# Allegro board meta_module_lay_rev1.brd
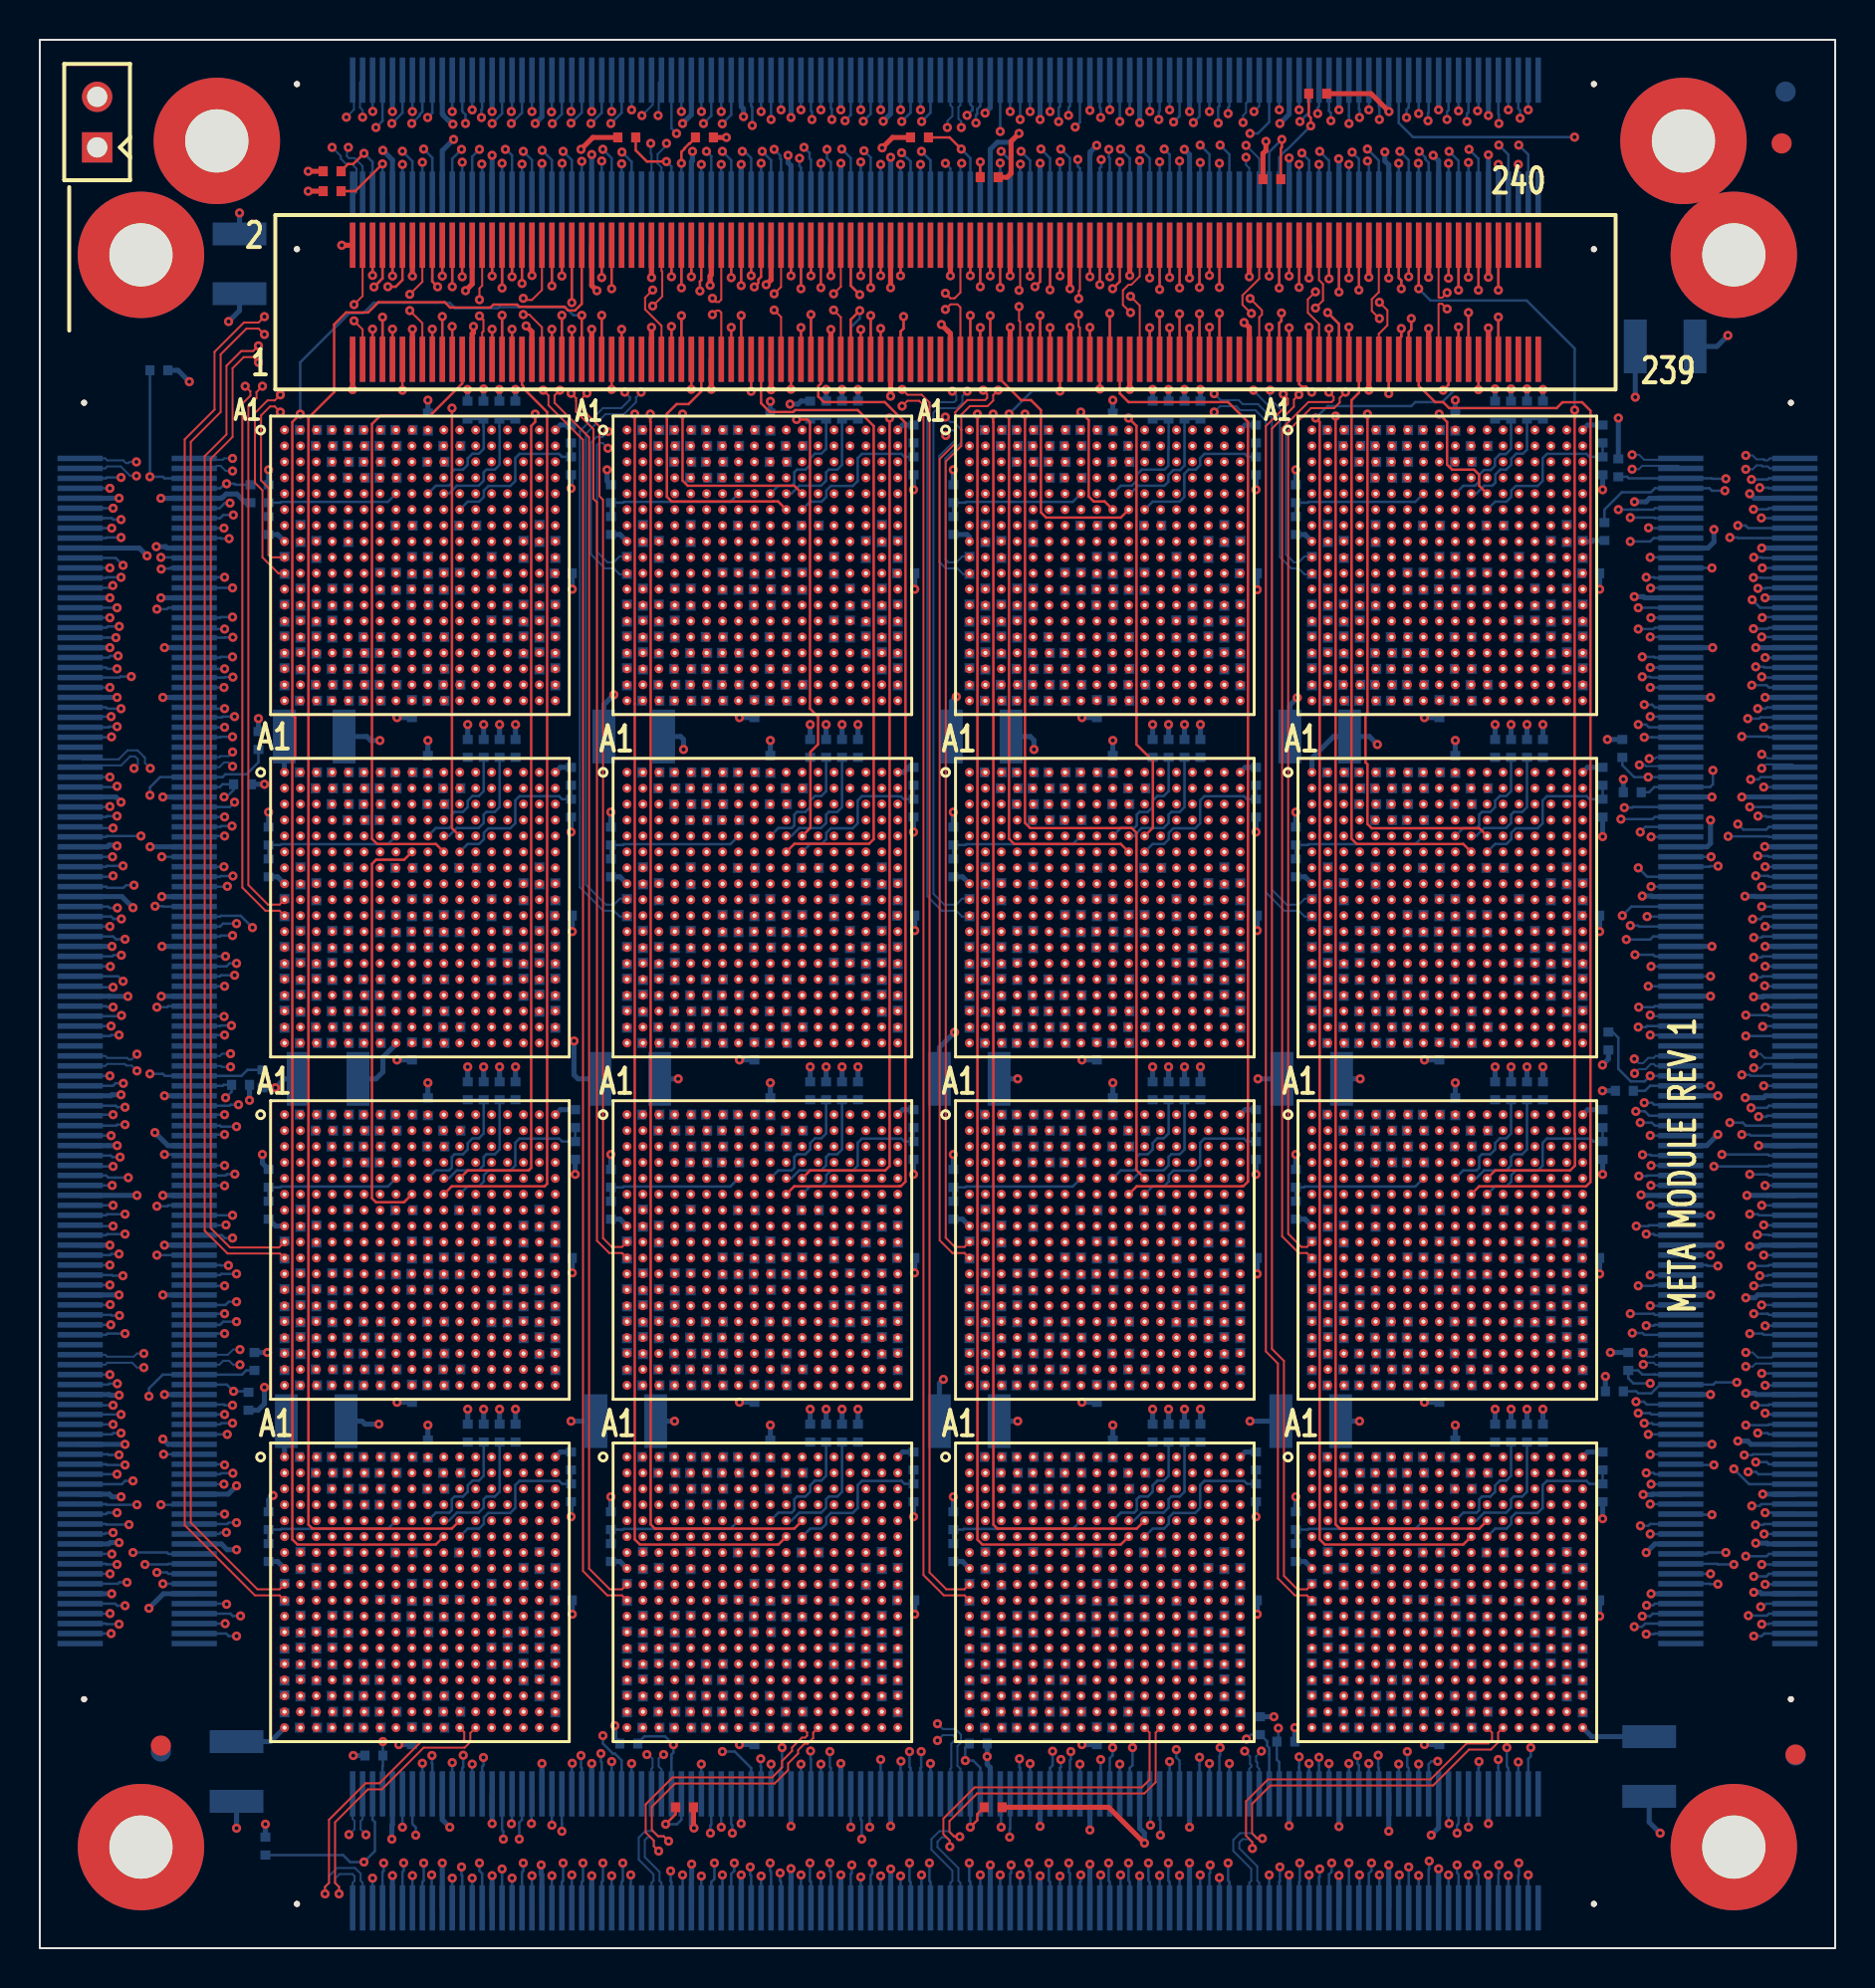
[diagram p0: board, top side]
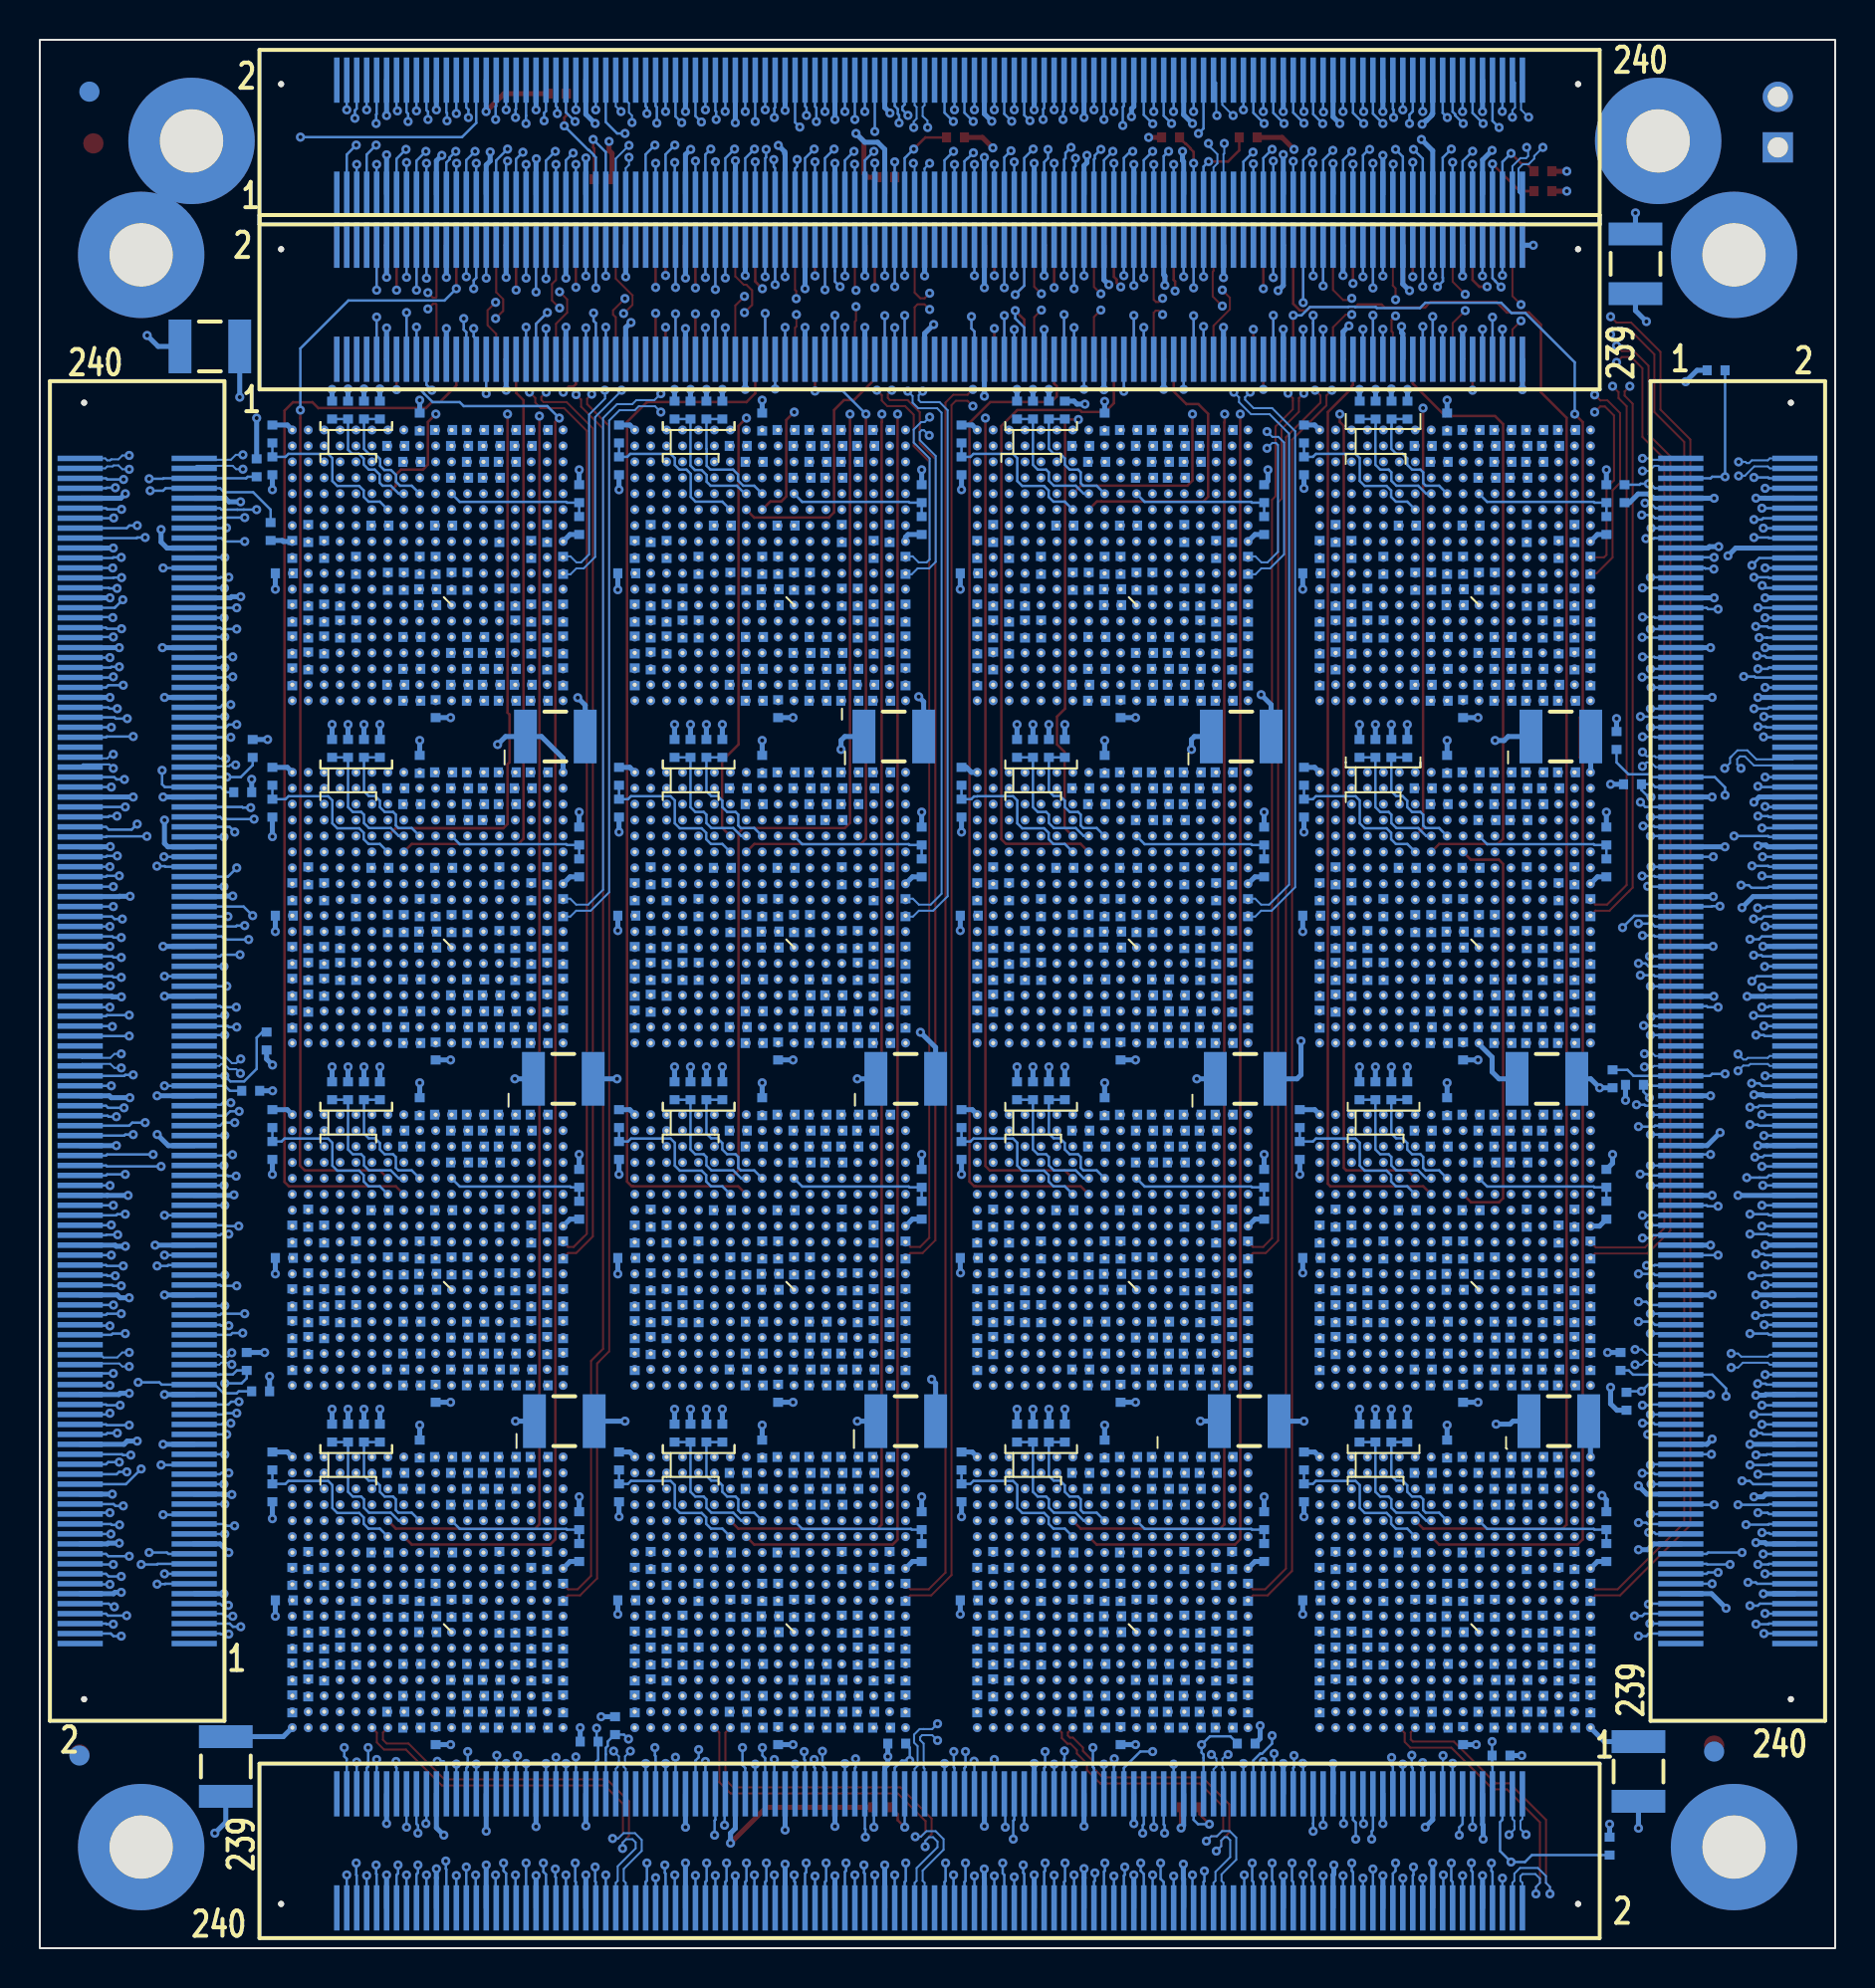
[diagram p1: board, bottom side, seen from below]

Outline 90.17 x 95.89 mm; copper layers: TOP, GND_L2, SIGNAL_L3, GND_L4, SIGNAL_L5, SIGNAL_L6, PWR_L7, PWR_L8, SIGNAL_L9, SIGNAL_L10, GND_L11, SIGNAL_L12, GND_L13, BOTTOM. Coordinates in mm from the lower left corner of the outline.
Outline path: rectangle 0,0 90.17,95.89

## Design rules (mm)
net group CLK0: nets CLK_N0 CLK_P0
net group CLK1: nets CLK_N1 CLK_P1
net group CLK2: nets CLK_N2 CLK_P2
net group CLK3: nets CLK_N3 CLK_P3
net group CLK4: nets CLK_N4 CLK_P4
net group CLK5: nets CLK_N5 CLK_P5
net group CLK6: nets CLK_N6 CLK_P6
net group CLK7: nets CLK_N7 CLK_P7
net group CLK8: nets CLK_N8 CLK_P8
net group CLK9: nets CLK_N9 CLK_P9
net group CLK10: nets CLK_N10 CLK_P10
net group CLK11: nets CLK_N11 CLK_P11
net group CLK12: nets CLK_N12 CLK_P12
net group CLK13: nets CLK_N13 CLK_P13
net group CLK14: nets CLK_N14 CLK_P14
net group CLK15: nets CLK_N15 CLK_P15
net group EA LCLK IN0: nets EA_LCLK_IN_N0 EA_LCLK_IN_P0
net group EA LCLK IN1: nets EA_LCLK_IN_N1 EA_LCLK_IN_P1
net group EA LCLK IN2: nets EA_LCLK_IN_N2 EA_LCLK_IN_P2
net group EA LCLK IN3: nets EA_LCLK_IN_N3 EA_LCLK_IN_P3
net group EA LCLK OUT0: nets EA_LCLK_OUT_N0 EA_LCLK_OUT_P0
net group EA LCLK OUT1: nets EA_LCLK_OUT_N1 EA_LCLK_OUT_P1
net group EA LCLK OUT2: nets EA_LCLK_OUT_N2 EA_LCLK_OUT_P2
net group EA LCLK OUT3: nets EA_LCLK_OUT_N3 EA_LCLK_OUT_P3
net group EW LCK0: nets EW_LCK_N0 EW_LCK_P0
net group EW LCK1: nets EW_LCK_N1 EW_LCK_P1
net group EW LCLK0 SNOW4-1: nets EW_LCLK_N0_SNOW4-1 EW_LCLK_P0_SNOW4-1
net group EW LCLK0 SNOW4-2: nets EW_LCLK_N0_SNOW4-2 EW_LCLK_P0_SNOW4-2
net group EW LCLK0 SNOW4-3: nets EW_LCLK_N0_SNOW4-3 EW_LCLK_P0_SNOW4-3
net group EW LCLK0 SNOW4-4: nets EW_LCLK_N0_SNOW4-4 EW_LCLK_P0_SNOW4-4
net group EW LCLK1 SNOW4-1: nets EW_LCLK_N1_SNOW4-1 EW_LCLK_P1_SNOW4-1
net group EW LCLK1 SNOW4-2: nets EW_LCLK_N1_SNOW4-2 EW_LCLK_P1_SNOW4-2
net group EW LCLK1 SNOW4-3: nets EW_LCLK_N1_SNOW4-3 EW_LCLK_P1_SNOW4-3
net group EW LCLK1 SNOW4-4: nets EW_LCLK_N1_SNOW4-4 EW_LCLK_P1_SNOW4-4
net group EW LCLK2: nets EW_LCLK_N2 EW_LCLK_P2
net group EW LCLK3: nets EW_LCLK_N3 EW_LCLK_P3
net group NO LCLK IN0: nets NO_LCLK_IN_N0 NO_LCLK_IN_P0
net group NO LCLK IN1: nets NO_LCLK_IN_N1 NO_LCLK_IN_P1
net group NO LCLK IN2: nets NO_LCLK_IN_N2 NO_LCLK_IN_P2
net group NO LCLK IN3: nets NO_LCLK_IN_N3 NO_LCLK_IN_P3
net group NO LCLK OUT0: nets NO_LCLK_OUT_N0 NO_LCLK_OUT_P0
net group NO LCLK OUT1: nets NO_LCLK_OUT_N1 NO_LCLK_OUT_P1
net group NO LCLK OUT2: nets NO_LCLK_OUT_N2 NO_LCLK_OUT_P2
net group NO LCLK OUT3: nets NO_LCLK_OUT_N3 NO_LCLK_OUT_P3
net group NS LCLK0: nets NS_LCLK_N0 NS_LCLK_P0
net group NS LCLK0 SNOW4-1: nets NS_LCLK_N0_SNOW4-1 NS_LCLK_P0_SNOW4-1
net group NS LCLK0 SNOW4-2: nets NS_LCLK_N0_SNOW4-2 NS_LCLK_P0_SNOW4-2
net group NS LCLK0 SNOW4-3: nets NS_LCLK_N0_SNOW4-3 NS_LCLK_P0_SNOW4-3
net group NS LCLK0 SNOW4-4: nets NS_LCLK_N0_SNOW4-4 NS_LCLK_P0_SNOW4-4
net group NS LCLK1: nets NS_LCLK_N1 NS_LCLK_P1
net group NS LCLK1 SNOW4-1: nets NS_LCLK_N1_SNOW4-1 NS_LCLK_P1_SNOW4-1
net group NS LCLK1 SNOW4-2: nets NS_LCLK_N1_SNOW4-2 NS_LCLK_P1_SNOW4-2
net group NS LCLK1 SNOW4-3: nets NS_LCLK_N1_SNOW4-3 NS_LCLK_P1_SNOW4-3
net group NS LCLK1 SNOW4-4: nets NS_LCLK_N1_SNOW4-4 NS_LCLK_P1_SNOW4-4
net group NS LCLK2: nets NS_LCLK_N2 NS_LCLK_P2
net group NS LCLK3: nets NS_LCLK_N3 NS_LCLK_P3
net group SN LCLK0: nets SN_LCLK_N0 SN_LCLK_P0
net group SN LCLK0 SNOW4-1: nets SN_LCLK_N0_SNOW4-1 SN_LCLK_P0_SNOW4-1
net group SN LCLK0 SNOW4-2: nets SN_LCLK_N0_SNOW4-2 SN_LCLK_P0_SNOW4-2
net group SN LCLK0 SNOW4-3: nets SN_LCLK_N0_SNOW4-3 SN_LCLK_P0_SNOW4-3
net group SN LCLK0 SNOW4-4: nets SN_LCLK_N0_SNOW4-4 SN_LCLK_P0_SNOW4-4
net group SN LCLK1: nets SN_LCLK_N1 SN_LCLK_P1
net group SN LCLK1 SNOW4-1: nets SN_LCLK_N1_SNOW4-1 SN_LCLK_P1_SNOW4-1
net group SN LCLK1 SNOW4-2: nets SN_LCLK_N1_SNOW4-2 SN_LCLK_P1_SNOW4-2
net group SN LCLK1 SNOW4-3: nets SN_LCLK_N1_SNOW4-3 SN_LCLK_P1_SNOW4-3
net group SN LCLK1 SNOW4-4: nets SN_LCLK_N1_SNOW4-4 SN_LCLK_P1_SNOW4-4
net group SN LCLK2: nets SN_LCLK_N2 SN_LCLK_P2
net group SN LCLK3: nets SN_LCLK_N3 SN_LCLK_P3
net group SO LCLK IN0: nets SO_LCLK_IN_N0 SO_LCLK_IN_P0
net group SO LCLK IN1: nets SO_LCLK_IN_N1 SO_LCLK_IN_P1
net group SO LCLK IN2: nets SO_LCLK_IN_N2 SO_LCLK_IN_P2
net group SO LCLK IN3: nets SO_LCLK_IN_N3 SO_LCLK_IN_P3
net group SO LCLK OUT0: nets SO_LCLK_OUT_N0 SO_LCLK_OUT_P0
net group SO LCLK OUT1: nets SO_LCLK_OUT_N1 SO_LCLK_OUT_P1
net group SO LCLK OUT2: nets SO_LCLK_OUT_N2 SO_LCLK_OUT_P2
net group SO LCLK OUT3: nets SO_LCLK_OUT_N3 SO_LCLK_OUT_P3
net group WE LCLK0: nets WE_LCLK_N0 WE_LCLK_P0
net group WE LCLK0 SNOW4-1: nets WE_LCLK_N0_SNOW4-1 WE_LCLK_P0_SNOW4-1
net group WE LCLK0 SNOW4-2: nets WE_LCLK_N0_SNOW4-2 WE_LCLK_P0_SNOW4-2
net group WE LCLK0 SNOW4-3: nets WE_LCLK_N0_SNOW4-3 WE_LCLK_P0_SNOW4-3
net group WE LCLK0 SNOW4-4: nets WE_LCLK_N0_SNOW4-4 WE_LCLK_P0_SNOW4-4
net group WE LCLK1: nets WE_LCLK_N1 WE_LCLK_P1
net group WE LCLK1 SNOW4-1: nets WE_LCLK_N1_SNOW4-1 WE_LCLK_P1_SNOW4-1
net group WE LCLK1 SNOW4-2: nets WE_LCLK_N1_SNOW4-2 WE_LCLK_P1_SNOW4-2
net group WE LCLK1 SNOW4-3: nets WE_LCLK_N1_SNOW4-3 WE_LCLK_P1_SNOW4-3
net group WE LCLK1 SNOW4-4: nets WE_LCLK_N1_SNOW4-4 WE_LCLK_P1_SNOW4-4
net group WE LCLK2: nets WE_LCLK_N2 WE_LCLK_P2
net group WE LCLK3: nets WE_LCLK_N3 WE_LCLK_P3
net group WE LCLK IN0: nets WE_LCLK_IN_N0 WE_LCLK_IN_P0
net group WE LCLK IN1: nets WE_LCLK_IN_N1 WE_LCLK_IN_P1
net group WE LCLK IN2: nets WE_LCLK_IN_N2 WE_LCLK_IN_P2
net group WE LCLK IN3: nets WE_LCLK_IN_N3 WE_LCLK_IN_P3
net group WE LCLK OUT0: nets WE_LCLK_OUT_N0 WE_LCLK_OUT_P0
net group WE LCLK OUT1: nets WE_LCLK_OUT_N1 WE_LCLK_OUT_P1
net group WE LCLK OUT2: nets WE_LCLK_OUT_N2 WE_LCLK_OUT_P2
net group WE LCLK OUT3: nets WE_LCLK_OUT_N3 WE_LCLK_OUT_P3

## Placement (name value [footprint] x y rotation side)
C1  100 uF  [CAPC3225X280N]  13.78 60.88 180 bottom
C2  100 uF  [CAPC3225X280N]  10.03 84.63 270 bottom
C3  100 uF  [CAPC3225X280N]  64.28 60.88 0 bottom
C4  100 uF  [CAPC3225X280N]  47.28 60.88 0 bottom
C5  100 uF  [CAPC3225X280N]  9.88 8.88 90 bottom
C6  100 uF  [CAPC3225X280N]  13.88 26.48 180 bottom
C7  100 uF  [CAPC3225X280N]  63.88 43.68 0 bottom
C8  100 uF  [CAPC3225X280N]  80.83 9.13 90 bottom
C9  100 uF  [CAPC3225X280N]  29.63 43.68 0 bottom
C10  100 uF  [CAPC3225X280N]  29.83 60.88 0 bottom
C11  100 uF  [CAPC3225X280N]  46.68 43.68 0 bottom
C12  100 uF  [CAPC3225X280N]  81.63 80.48 180 bottom
C13  100 uF  [CAPC3225X280N]  14.48 43.68 0 bottom
C14  100 uF  [CAPC3225X280N]  29.43 26.48 0 bottom
C15  100 uF  [CAPC3225X280N]  63.83 26.48 0 bottom
C16  100 uF  [CAPC3225X280N]  46.68 26.48 0 bottom
C17  0.1 uF  [0402]  35.09 68.68 270 bottom
C18  0.1 uF  [0402]  37.49 68.68 90 bottom
C19  0.1 uF  [0402]  34.29 68.68 90 bottom
C20  0.1 uF  [0402]  36.69 69.48 90 bottom
C21  0.1 uF  [0402]  36.29 68.28 0 bottom
C22  0.1 uF  [0402]  36.29 67.48 180 bottom
C23  0.1 uF  [0402]  35.89 69.48 270 bottom
C24  0.1 uF  [0402]  38.29 68.68 270 bottom
C25  0.1 uF  [0402]  32.69 67.88 270 bottom
C26  0.1 uF  [0402]  33.88 65.88 0 bottom
C27  0.1 uF  [0402]  35.49 71.48 180 bottom
C28  0.1 uF  [0402]  32.69 71.08 270 bottom
C29  0.1 uF  [0402]  39.88 66.28 90 bottom
C30  0.1 uF  [0402]  38.69 71.48 180 bottom
C31  0.1 uF  [0402]  37.08 65.88 0 bottom
C32  0.1 uF  [0402]  39.89 69.48 90 bottom
C33  0.1 uF  [0402]  35.09 51.48 270 bottom
C34  0.1 uF  [0402]  37.49 51.48 90 bottom
C35  0.1 uF  [0402]  36.29 51.08 0 bottom
C36  0.1 uF  [0402]  36.69 52.28 90 bottom
C37  0.1 uF  [0402]  38.29 51.48 270 bottom
C38  0.1 uF  [0402]  35.89 52.28 270 bottom
C39  0.1 uF  [0402]  36.29 50.28 180 bottom
C40  0.1 uF  [0402]  34.29 51.48 90 bottom
C41  0.1 uF  [0402]  33.88 48.68 0 bottom
C42  0.1 uF  [0402]  37.08 48.68 0 bottom
C43  0.1 uF  [0402]  39.88 49.08 90 bottom
C44  0.1 uF  [0402]  39.89 52.28 90 bottom
C45  0.1 uF  [0402]  38.69 54.28 180 bottom
C46  0.1 uF  [0402]  35.49 54.28 180 bottom
C47  0.1 uF  [0402]  32.69 53.88 270 bottom
C48  0.1 uF  [0402]  32.69 50.68 270 bottom
C49  0.1 uF  [0402]  17.89 68.68 270 bottom
C50  0.1 uF  [0402]  19.09 68.28 0 bottom
C51  0.1 uF  [0402]  17.09 68.68 90 bottom
C52  0.1 uF  [0402]  18.69 69.48 270 bottom
C53  0.1 uF  [0402]  19.09 67.48 180 bottom
C54  0.1 uF  [0402]  21.09 68.68 270 bottom
C55  0.1 uF  [0402]  20.29 68.68 90 bottom
C56  0.1 uF  [0402]  19.49 69.48 90 bottom
C57  0.1 uF  [0402]  19.88 65.88 0 bottom
C58  0.1 uF  [0402]  15.49 67.88 270 bottom
C59  0.1 uF  [0402]  16.68 65.88 0 bottom
C60  0.1 uF  [0402]  15.49 71.08 270 bottom
C61  0.1 uF  [0402]  22.69 69.48 90 bottom
C62  0.1 uF  [0402]  21.49 71.48 180 bottom
C63  0.1 uF  [0402]  18.29 71.48 180 bottom
C64  0.1 uF  [0402]  22.68 66.28 90 bottom
C65  0.1 uF  [0402]  20.29 51.48 90 bottom
C66  0.1 uF  [0402]  19.09 50.28 180 bottom
C67  0.1 uF  [0402]  17.89 51.48 270 bottom
C68  0.1 uF  [0402]  19.49 52.28 90 bottom
C69  0.1 uF  [0402]  19.09 51.08 0 bottom
C70  0.1 uF  [0402]  17.09 51.48 90 bottom
C71  0.1 uF  [0402]  21.09 51.48 270 bottom
C72  0.1 uF  [0402]  18.69 52.28 270 bottom
C73  0.1 uF  [0402]  16.68 48.68 0 bottom
C74  0.1 uF  [0402]  15.49 50.68 270 bottom
C75  0.1 uF  [0402]  22.68 49.08 90 bottom
C76  0.1 uF  [0402]  21.49 54.28 180 bottom
C77  0.1 uF  [0402]  18.29 54.28 180 bottom
C78  0.1 uF  [0402]  22.69 52.28 90 bottom
C79  0.1 uF  [0402]  15.49 53.88 270 bottom
C80  0.1 uF  [0402]  19.88 48.68 0 bottom
C81  0.1 uF  [0402]  70.29 69.48 270 bottom
C82  0.1 uF  [0402]  68.69 68.68 90 bottom
C83  0.1 uF  [0402]  71.89 68.68 90 bottom
C84  0.1 uF  [0402]  72.69 68.68 270 bottom
C85  0.1 uF  [0402]  70.69 67.48 180 bottom
C86  0.1 uF  [0402]  71.09 69.48 90 bottom
C87  0.1 uF  [0402]  70.69 68.28 0 bottom
C88  0.1 uF  [0402]  69.49 68.68 270 bottom
C89  0.1 uF  [0402]  67.09 71.08 270 bottom
C90  0.1 uF  [0402]  68.28 65.88 0 bottom
C91  0.1 uF  [0402]  73.09 71.48 180 bottom
C92  0.1 uF  [0402]  69.89 71.48 180 bottom
C93  0.1 uF  [0402]  67.09 67.88 270 bottom
C94  0.1 uF  [0402]  71.48 65.88 0 bottom
C95  0.1 uF  [0402]  74.29 69.48 90 bottom
C96  0.1 uF  [0402]  74.28 66.28 90 bottom
C97  0.1 uF  [0402]  69.49 51.48 270 bottom
C98  0.1 uF  [0402]  70.29 52.28 270 bottom
C99  0.1 uF  [0402]  72.69 51.48 270 bottom
C100  0.1 uF  [0402]  70.69 51.08 0 bottom
C101  0.1 uF  [0402]  70.69 50.28 180 bottom
C102  0.1 uF  [0402]  71.09 52.28 90 bottom
C103  0.1 uF  [0402]  68.69 51.48 90 bottom
C104  0.1 uF  [0402]  71.89 51.48 90 bottom
C105  0.1 uF  [0402]  67.09 53.88 270 bottom
C106  0.1 uF  [0402]  68.28 48.68 0 bottom
C107  0.1 uF  [0402]  74.29 52.28 90 bottom
C108  0.1 uF  [0402]  67.09 50.68 270 bottom
C109  0.1 uF  [0402]  73.09 54.28 180 bottom
C110  0.1 uF  [0402]  69.89 54.28 180 bottom
C111  0.1 uF  [0402]  74.28 49.08 90 bottom
C112  0.1 uF  [0402]  71.48 48.68 0 bottom
C113  0.1 uF  [0402]  53.09 69.48 270 bottom
C114  0.1 uF  [0402]  53.49 68.28 0 bottom
C115  0.1 uF  [0402]  53.49 67.48 180 bottom
C116  0.1 uF  [0402]  52.29 68.68 270 bottom
C117  0.1 uF  [0402]  54.69 68.68 90 bottom
C118  0.1 uF  [0402]  51.49 68.68 90 bottom
C119  0.1 uF  [0402]  55.49 68.68 270 bottom
C120  0.1 uF  [0402]  53.89 69.48 90 bottom
C121  0.1 uF  [0402]  49.89 67.88 270 bottom
C122  0.1 uF  [0402]  54.28 65.88 0 bottom
C123  0.1 uF  [0402]  51.08 65.88 0 bottom
C124  0.1 uF  [0402]  57.09 69.48 90 bottom
C125  0.1 uF  [0402]  52.69 71.48 180 bottom
C126  0.1 uF  [0402]  55.89 71.48 180 bottom
C127  0.1 uF  [0402]  49.89 71.08 270 bottom
C128  0.1 uF  [0402]  57.08 66.28 90 bottom
C129  0.1 uF  [0402]  53.49 51.08 0 bottom
C130  0.1 uF  [0402]  55.49 51.48 270 bottom
C131  0.1 uF  [0402]  53.49 50.28 180 bottom
C132  0.1 uF  [0402]  53.09 52.28 270 bottom
C133  0.1 uF  [0402]  54.69 51.48 90 bottom
C134  0.1 uF  [0402]  53.89 52.28 90 bottom
C135  0.1 uF  [0402]  52.29 51.48 270 bottom
C136  0.1 uF  [0402]  51.49 51.48 90 bottom
C137  0.1 uF  [0402]  51.08 48.68 0 bottom
C138  0.1 uF  [0402]  49.89 53.88 270 bottom
C139  0.1 uF  [0402]  49.89 50.68 270 bottom
C140  0.1 uF  [0402]  55.89 54.28 180 bottom
C141  0.1 uF  [0402]  54.28 48.68 0 bottom
C142  0.1 uF  [0402]  52.69 54.28 180 bottom
C143  0.1 uF  [0402]  57.09 52.28 90 bottom
C144  0.1 uF  [0402]  57.08 49.08 90 bottom
C145  0.1 uF  [0402]  35.09 34.28 270 bottom
C146  0.1 uF  [0402]  35.89 35.08 270 bottom
C147  0.1 uF  [0402]  37.49 34.28 90 bottom
C148  0.1 uF  [0402]  36.29 33.88 0 bottom
C149  0.1 uF  [0402]  38.29 34.28 270 bottom
C150  0.1 uF  [0402]  34.29 34.28 90 bottom
C151  0.1 uF  [0402]  36.69 35.08 90 bottom
C152  0.1 uF  [0402]  36.29 33.08 180 bottom
C153  0.1 uF  [0402]  39.88 31.88 90 bottom
C154  0.1 uF  [0402]  33.88 31.48 0 bottom
C155  0.1 uF  [0402]  32.69 36.68 270 bottom
C156  0.1 uF  [0402]  39.89 35.08 90 bottom
C157  0.1 uF  [0402]  35.49 37.08 180 bottom
C158  0.1 uF  [0402]  37.08 31.48 0 bottom
C159  0.1 uF  [0402]  32.69 33.48 270 bottom
C160  0.1 uF  [0402]  38.69 37.08 180 bottom
C161  0.1 uF  [0402]  37.49 17.08 90 bottom
C162  0.1 uF  [0402]  35.09 17.08 270 bottom
C163  0.1 uF  [0402]  34.29 17.08 90 bottom
C164  0.1 uF  [0402]  36.69 17.88 90 bottom
C165  0.1 uF  [0402]  36.29 15.88 180 bottom
C166  0.1 uF  [0402]  38.29 17.08 270 bottom
C167  0.1 uF  [0402]  35.89 17.88 270 bottom
C168  0.1 uF  [0402]  36.29 16.68 0 bottom
C169  0.1 uF  [0402]  33.88 14.28 0 bottom
C170  0.1 uF  [0402]  39.89 17.88 90 bottom
C171  0.1 uF  [0402]  38.69 19.88 180 bottom
C172  0.1 uF  [0402]  35.49 19.88 180 bottom
C173  0.1 uF  [0402]  32.69 19.48 270 bottom
C174  0.1 uF  [0402]  37.08 14.28 0 bottom
C175  0.1 uF  [0402]  32.69 16.28 270 bottom
C176  0.1 uF  [0402]  39.88 14.68 90 bottom
C177  0.1 uF  [0402]  18.69 35.08 270 bottom
C178  0.1 uF  [0402]  21.09 34.28 270 bottom
C179  0.1 uF  [0402]  19.09 33.08 180 bottom
C180  0.1 uF  [0402]  17.89 34.28 270 bottom
C181  0.1 uF  [0402]  17.09 34.28 90 bottom
C182  0.1 uF  [0402]  20.29 34.28 90 bottom
C183  0.1 uF  [0402]  19.09 33.88 0 bottom
C184  0.1 uF  [0402]  19.49 35.08 90 bottom
C185  0.1 uF  [0402]  18.29 37.08 180 bottom
C186  0.1 uF  [0402]  15.49 36.68 270 bottom
C187  0.1 uF  [0402]  16.68 31.48 0 bottom
C188  0.1 uF  [0402]  21.49 37.08 180 bottom
C189  0.1 uF  [0402]  22.68 31.88 90 bottom
C190  0.1 uF  [0402]  15.49 33.48 270 bottom
C191  0.1 uF  [0402]  19.88 31.48 0 bottom
C192  0.1 uF  [0402]  22.69 35.08 90 bottom
C193  0.1 uF  [0402]  17.89 17.08 270 bottom
C194  0.1 uF  [0402]  18.69 17.88 270 bottom
C195  0.1 uF  [0402]  19.49 17.88 90 bottom
C196  0.1 uF  [0402]  21.09 17.08 270 bottom
C197  0.1 uF  [0402]  19.09 15.88 180 bottom
C198  0.1 uF  [0402]  20.29 17.08 90 bottom
C199  0.1 uF  [0402]  19.09 16.68 0 bottom
C200  0.1 uF  [0402]  17.09 17.08 90 bottom
C201  0.1 uF  [0402]  21.49 19.88 180 bottom
C202  0.1 uF  [0402]  19.88 14.28 0 bottom
C203  0.1 uF  [0402]  16.68 14.28 0 bottom
C204  0.1 uF  [0402]  22.69 17.88 90 bottom
C205  0.1 uF  [0402]  22.68 14.68 90 bottom
C206  0.1 uF  [0402]  15.49 16.28 270 bottom
C207  0.1 uF  [0402]  18.29 19.88 180 bottom
C208  0.1 uF  [0402]  15.49 19.48 270 bottom
C209  0.1 uF  [0402]  72.69 34.28 270 bottom
C210  0.1 uF  [0402]  70.29 35.08 270 bottom
C211  0.1 uF  [0402]  71.89 34.28 90 bottom
C212  0.1 uF  [0402]  70.69 33.08 180 bottom
C213  0.1 uF  [0402]  68.69 34.28 90 bottom
C214  0.1 uF  [0402]  69.49 34.28 270 bottom
C215  0.1 uF  [0402]  71.09 35.08 90 bottom
C216  0.1 uF  [0402]  70.69 33.88 0 bottom
C217  0.1 uF  [0402]  69.89 37.08 180 bottom
C218  0.1 uF  [0402]  71.48 31.48 0 bottom
C219  0.1 uF  [0402]  67.09 36.68 270 bottom
C220  0.1 uF  [0402]  74.29 35.08 90 bottom
C221  0.1 uF  [0402]  74.28 31.88 90 bottom
C222  0.1 uF  [0402]  73.09 37.08 180 bottom
C223  0.1 uF  [0402]  68.28 31.48 0 bottom
C224  0.1 uF  [0402]  67.09 33.48 270 bottom
C225  0.1 uF  [0402]  68.69 17.08 90 bottom
C226  0.1 uF  [0402]  71.89 17.08 90 bottom
C227  0.1 uF  [0402]  72.69 17.08 270 bottom
C228  0.1 uF  [0402]  70.69 16.68 0 bottom
C229  0.1 uF  [0402]  71.09 17.88 90 bottom
C230  0.1 uF  [0402]  70.29 17.88 270 bottom
C231  0.1 uF  [0402]  70.69 15.88 180 bottom
C232  0.1 uF  [0402]  69.49 17.08 270 bottom
C233  0.1 uF  [0402]  67.09 16.28 270 bottom
C234  0.1 uF  [0402]  68.28 14.28 0 bottom
C235  0.1 uF  [0402]  69.89 19.88 180 bottom
C236  0.1 uF  [0402]  67.09 19.48 270 bottom
C237  0.1 uF  [0402]  74.28 14.68 90 bottom
C238  0.1 uF  [0402]  73.09 19.88 180 bottom
C239  0.1 uF  [0402]  71.48 14.28 0 bottom
C240  0.1 uF  [0402]  74.29 17.88 90 bottom
C241  0.1 uF  [0402]  52.29 34.28 270 bottom
C242  0.1 uF  [0402]  54.69 34.28 90 bottom
C243  0.1 uF  [0402]  51.49 34.28 90 bottom
C244  0.1 uF  [0402]  53.89 35.08 90 bottom
C245  0.1 uF  [0402]  53.49 33.88 0 bottom
C246  0.1 uF  [0402]  53.49 33.08 180 bottom
C247  0.1 uF  [0402]  53.09 35.08 270 bottom
C248  0.1 uF  [0402]  55.49 34.28 270 bottom
C249  0.1 uF  [0402]  49.89 33.48 270 bottom
C250  0.1 uF  [0402]  51.08 31.48 0 bottom
C251  0.1 uF  [0402]  52.69 37.08 180 bottom
C252  0.1 uF  [0402]  49.89 36.68 270 bottom
C253  0.1 uF  [0402]  57.08 31.88 90 bottom
C254  0.1 uF  [0402]  55.89 37.08 180 bottom
C255  0.1 uF  [0402]  54.28 31.48 0 bottom
C256  0.1 uF  [0402]  57.09 35.08 90 bottom
C257  0.1 uF  [0402]  52.29 17.08 270 bottom
C258  0.1 uF  [0402]  54.69 17.08 90 bottom
C259  0.1 uF  [0402]  51.49 17.08 90 bottom
C260  0.1 uF  [0402]  53.89 17.88 90 bottom
C261  0.1 uF  [0402]  53.49 16.68 0 bottom
C262  0.1 uF  [0402]  53.49 15.88 180 bottom